# Altium PCB bg_pcb.PcbDoc (part 1 of 2) (continued)
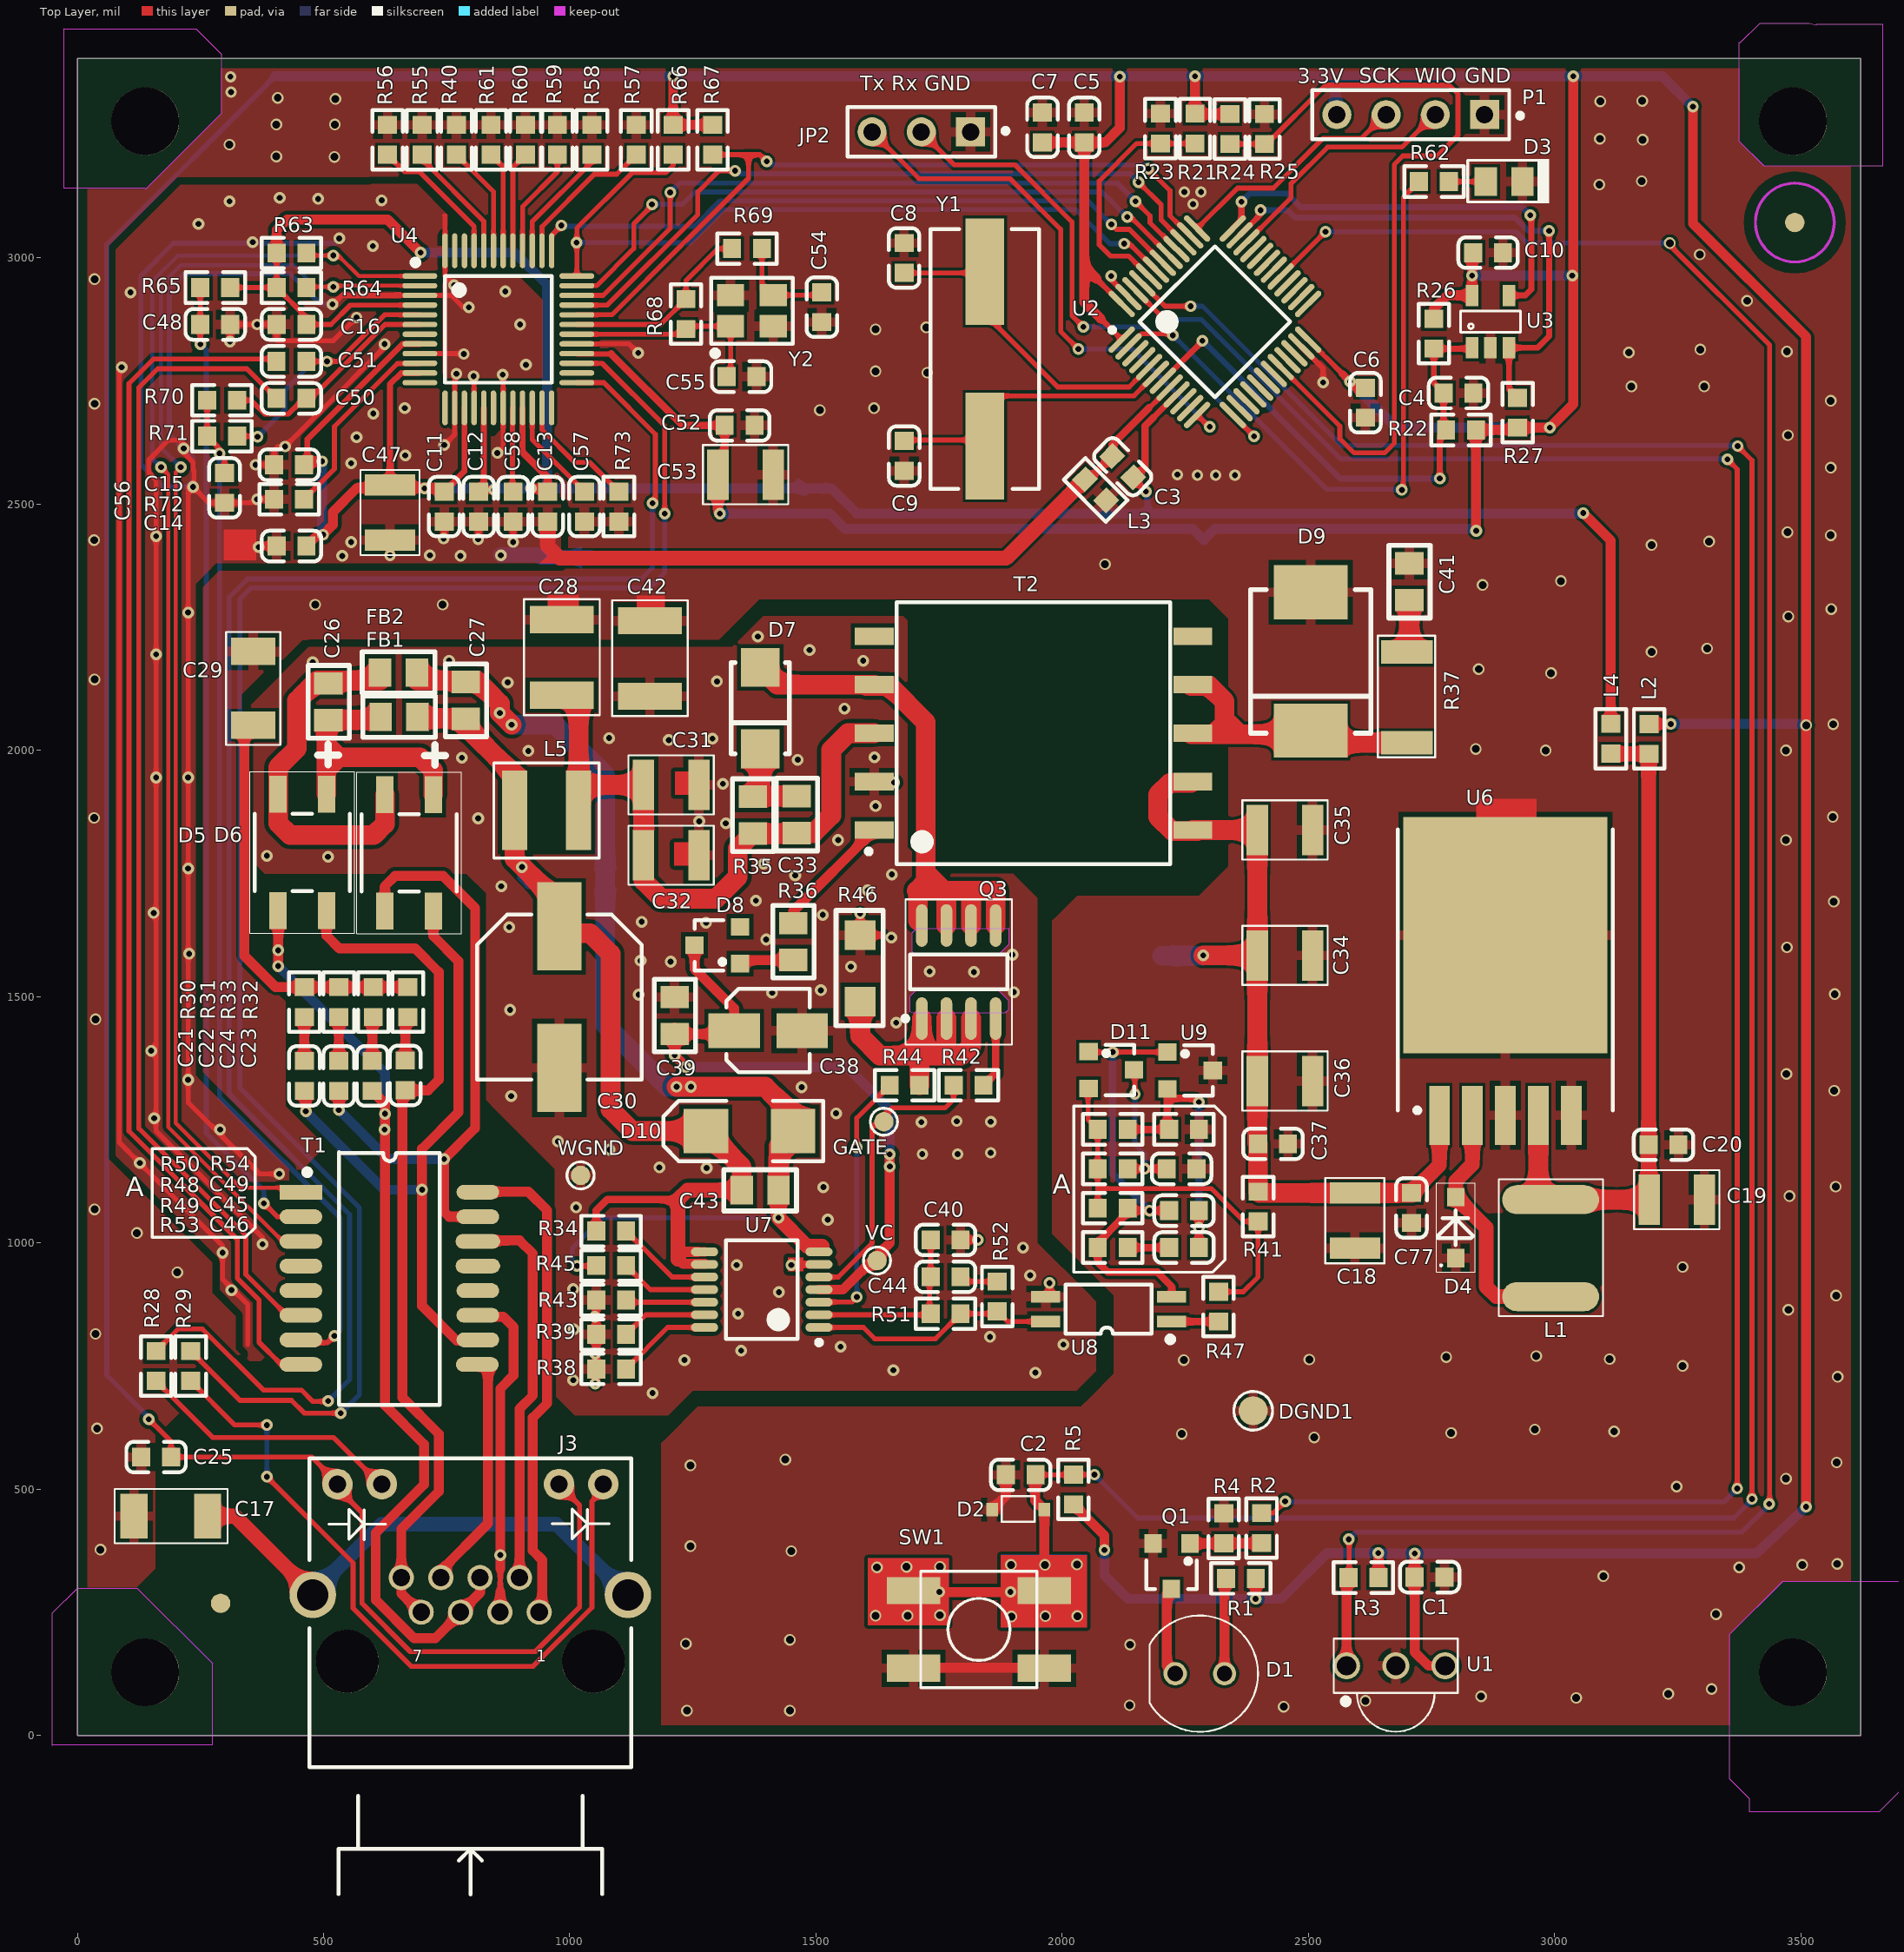
[diagram p0: Top Layer view]
## Components (designator, comment, footprint, x,y, rotation, side; value= is the part's Value field where it differs from the comment) (continued)
GATE "?.0mm,SMD" TP_SMD_1MM 1638,1246 r90 top
J3 "2-406549-1" RJ45LED 798.19,330 r270 top
JP2 "UART" HDR1X3 1814,3256 r180 top
L1 "30uH" L-7.5S 2992.1,890.8 r90 top
L2 "#NAME?" L0603 3192.2,2023.3 r90 top
L3 "#NAME?" L0603 2068,2529 r135 top
L4 "#NAME?" L0603 3114.2,2023.6 r90 top
L5 "10uH" L4*4MM 890.06,1878 r0 top
P1 "SWD" HDR1X4 2858,3291 r180 top
Q1 "DMG3404L" SOT-23 2259.5,389.6 r180 top
Q3 "FDS2582" SO8 1790,1550 r90 top
R1 "100R" R0603 2363.2,318.7 r0 top
R2 "1k" R0603 2405,420.8 r270 top
R3 "10k" R0603 2612,320.3 r0 top
R4 "10k" R0603 2328.2,420.3 r270 top
R5 "10K" R0603 2023,499 r270 top
R21 "10K" R0603 2269.9,3262.75 r270 top
R22 "10K" R0603 2810,2650.75 r0 top
R23 "10k" R0603 2199.9,3262.75 r270 top
R24 "10K" R0603 2340.9,3261.75 r270 top
R25 "10k" R0603 2410.9,3261.75 r270 top
R26 "10K" R0603 2755,2846.07 r90 top
R27 "10K" R0603 2925,2685.75 r90 top
R28 "330R" R0603 160,750 r90 top
R29 "330R" R0603 230,750 r90 top
R30 "75R" R0603 461,1489 r90 top
R31 "75R" R0603 531,1489 r90 top
R32 "75R" R0603 671,1489 r90 top
R33 "75R" R0603 601,1489 r90 top
R34 "24.9K" R0603 1084.25,1023.9 r180 top
R35 "39K/0.1W" 0805 1372,1906 r270 top
R36 "10R/0.1W" 0805 1454,1649 r270 top
R37 "20R/0.5W" 2010 2700,2200 r270 top
R38 "59K" R0603 1084.25,743.9 r180 top
R39 "80.6K" R0603 1084.25,813.9 r0 top
R40 "10K" R0603 770,3240 r90 top
R41 "0R" R0603 2398,1073.8 r270 top
R42 "10R" R0603 1810,1320 r180 top
R43 "39.2K" R0603 1084.25,883.9 r0 top
R44 "1K" R0603 1680,1320 r180 top
R45 "90.9Ω" R0603 1084.25,953.9 r0 top
R46 "0.39R/0.5W" 1206 1590,1490 r90 top
R47 "2K" R0603 2317.6,870.4 r270 top
R48 "10K" R0603 2102.6,1150.4 r0 top
R49 "4.99K" R0603 2102.6,1070.4 r0 top
R50 "44.2K" R0603 2102.6,1230.4 r0 top
R51 "2K" R0603 1763.28,856.1 r0 top
R52 "1.5K" R0603 1868.28,891.1 r270 top
R53 "10K" R0603 2102.6,990.4 r0 top
R54 "11.5K" R0603 2247.6,1230.4 r180 top
R55 "10K" R0603 700,3240 r90 top
R56 "10K" R0603 630,3240 r90 top
R57 "10K" R0603 1135,3240 r90 top
R58 "10K" R0603 1045,3240 r90 top
R59 "10K" R0603 975,3240 r90 top
R60 "10K" R0603 910,3240 r90 top
R61 "10K" R0603 840,3240 r90 top
R62 "1K" R0603 2755,3155 r180 top
R63 "49R9" R0603 435,3010 r180 top
R64 "49R9" R0603 435,2940 r180 top
R65 "10R" R0603 280,2940 r0 top
R66 "10K" R0603 1210,3240 r90 top
R67 "10K" R0603 1290,3240 r90 top
R68 "1M" R0603 1236,2886 r90 top
R69 "0R" R0603 1360,3019 r180 top
R70 "82R 1%" R0603 294,2711 r0 top
R71 "82R 1%" R0603 294,2638 r0 top
R72 "12.4K 1%" R0603 430,2510 r0 top
R73 "10K" R0603 1100,2495 r90 top
SW1 "K2-6639SP-I4SC-04" KEY6*6mm 1831,215 r0 top
T1 "H2019" H1102NL 454,1103 r0 top
T2 "POE13P-12L" POE13P-12L 1942,2035 r0 top
U1 "HS0038B3VM" HS0038B3VM 2551.6,196.2 r0 top
U2 "stm32f030c8" LQFP48 2310,2870 r45 top
U3 "STWD100NYWY3F" SOT23-5 2870,2870.75 r0 top
U4 "W5500" W5500-LQFP-48_7X7X05P 855,2855 r270 top
U6 "LM2575-3V3" TO-263-5 3107.2,1827.5 r180 top
U7 "TPS23753APW" TPS23753A 1390,905 r180 top
U8 "TCMT1107" SSOP4 2222.6,840.4 r180 top
U9 "TL431ACDBVR" SOT-23 2213.6,1387.4 r270 top
VC "?.0mm,SMD" TP_SMD_1MM 1624,964 r0 top
VDD "?.0mm,SMD" TP_SMD_1_5MM 917,1728 r90 bottom
VSS "?.0mm,SMD" TP_SMD_1_5MM 1072,1739 r90 bottom
WGND "?.0mm,SMD" TP_SMD_1MM 1022,1137 r90 top
Y1 "CRYSTAL_8MHz" 8M_SMD_CRYSTAL 1843,2795 r270 top
Y2 "25Mhz" 25MHZ-SMD-3225_4P 1370,2893 r0 top

## Footprints (in the part's own frame and the unit in brackets; to place one, negate y for a bottom-side part, rotate by r counter-clockwise, add the part's x,y. Pads: shape width x height; smd on the part's side, far side on the other; paste and mask are expansions set on the pad)
8M_SMD_CRYSTAL [mm]
  rect 5.5x2 smd: 1(-4.5,0) 2(4.5,0)
  silkscreen extent -6.7,-2.8 6.7,2.8
25MHZ-SMD-3225_4P [mm]
  rect 1.4x1.15 smd: 1(-1.1,-0.8) 2(1.1,-0.8) 3(1.1,0.8) 4(-1.1,0.8)
  silkscreen extent -2.1,-2.35 2.1,1.7, body extent -1.6,-1.25 1.6,1.25, height 0.61
0805 [mm] "Chip Capacitor, Body 2.0x1.3mm, IPC High Density"
  rect 1.16x1.47 smd: 1(0,0) 2(1.9,0)
  silkscreen extent -0.92,-1.05 2.83,1.07
1206 [mm]
  rect 1.52x1.6 smd: 1(0,0) 2(3.42,0)
  silkscreen extent -1.25,-1.17 4.7,1.25
1808 [mm]
  rect 1.4x2.3 smd: 1(0,0) 2(3.8,0)
  silkscreen extent -1,-1.4 4.82,1.4
1812 [mm] "Chip Capacitor, Body 4.5x3.2mm, IPC High Density"
  rect 1.4x3.3 smd: 1(0,0) 2(3.9,0)
  silkscreen extent -1.02,-1.95 4.95,1.95, body extent -0.5,-1.7 4.3,1.7, height 1.4
2010 [mm]
  rect 1.2x2.67 smd: 1(0,0) 2(4.68,0)
  silkscreen extent -0.83,-1.49 5.44,1.46
bingo_logo [mil]
  silkscreen extent 2,-1 742,221
C4*5.8 [mm]
  rect 2.65x1.8 smd: 1(-1.75,0) 2(1.75,0)
  silkscreen extent -2.15,-2.15 2.15,2.15, body extent -2.15,-2.15 2.15,2.15, height 5.8
C8*10.2MM [mm]
  rect 4.55x2.3 smd: 1(-3.65,0) 2(3.65,0)
  silkscreen extent -4.25,-4.25 4.25,4.25, body extent -4.25,-4.25 4.25,4.25, height 10.2
C0603 [mm]
  rect 0.93x0.98 smd: 1(-0.77,0) 2(0.77,0)
  silkscreen extent -1.53,-0.79 1.54,0.79, body extent -0.8,-0.4 0.8,0.4, height 0.3
C1210 [mm] "Chip Capacitor, Body 3.2x2.5mm, IPC High Density"
  rect 1.1x2.6 smd: 1(-1.35,0) 2(1.5,0)
  silkscreen extent -2.12,-1.53 2.27,1.53, body extent -1.6,-1.35 1.8,1.35, height 1.3
H1102NL [mm]
  rect 2.2x0.76 smd: 1(0,0)
  oval 2.2x0.76 smd: 2(0,-1.27) 3(0,-2.54) 4(0,-3.81) 5(0,-5.08) 6(0,-6.35) 7(0,-7.62) 8(0,-8.89) 9(9.1,-8.89) 10(9.13,-7.62) 11(9.13,-6.35) 12(9.13,-5.08) 15(9.13,-1.27) 16(9.13,0)
  oval 2.3x0.76 smd: 13(9.13,-3.81) 14(9.13,-2.54)
  silkscreen extent 0.18,-10.97 7.17,2.05
HD01 [mm] "SOT143, 4-Leads, Body 4.70x7.00mm, Pitch 2.50mm, IPC Medium Density"
  rect 1.9x0.9 smd: 1(0,0) 2(6,0) 3(0,-2.5) 4(6,-2.5)
  silkscreen extent -2.58,-3.95 7.17,1.45, body extent 1,-3.7 5,1.2, height 2.7
HDR1X3 [mm] "Connector; Header; 3 Position"
  rect 1.5x1.5 hole 0.9: 1(0,0)
  round 1.5 hole 0.9: 2(2.54,0) 3(5.08,0)
  silkscreen extent -1.27,-1.27 6.35,1.27
HDR1X4 [mm] "Connector; Header; 4 Position"
  rect 1.5x1.5 hole 0.9: 1(0,0)
  round 1.5 hole 0.9: 2(2.54,0) 3(5.08,0) 4(7.62,0)
  silkscreen extent -1.27,-1.27 8.89,1.27
HS0038B3VM [mm]
  round 1.4 hole 1 mask+0: 1(0.66,-1.4) 2(3.2,-1.4) 3(5.74,-1.4)
  silkscreen extent 0,-4.8 6.4,0
KEY6*6mm [mm] "6.2?.5mm TACT Switch, without ground connector"
  rect 2.75x1.4 smd: 1(-3.375,2) 2(3.375,2) 3(-3.375,-2) 4(3.375,-2)
  silkscreen extent -3,-3 3,3, body extent -4,-3 4,3.3, height 3.1
L4*4MM [mm] "Precision Wire Wound Inductor, 2-Leads, Body 4.40x4.40mm, IPC Medium Density"
  rect 1.3x4.1 smd: 1(-0.05,0) 2(3.25,0)
  silkscreen extent -1.12,-2.45 4.3,2.45, body extent -0.5,-2.2 3.9,2.2, height 1.1
L0603 [mm]
  rect 0.93x0.98 smd: 1(-0.77,0) 2(0.77,0)
  silkscreen extent -1.54,-0.79 1.53,0.79, body extent -0.82,-0.41 0.83,0.41, height 0.46
L-7.5S [mm]
  oval 1.5x5 smd: 1(0,0) 2(5,0)
  silkscreen extent -1,-2.7 6.05,2.68
LED [mm]
  round 1.2 hole 0.8 mask+0: 1(-1.27,0) 2(1.27,0)
  silkscreen extent -3,-3 2.6,3
LED-0805 [mm] "Chip Capacitor, Body 2.0x1.3mm, IPC High Density"
  rect 1.16x1.47 smd: 1(0,0) 2(-1.9,0)
  silkscreen extent -3.27,-1.18 0.92,1.12
LQFP48 [mm]
  oval 1.8x0.3 smd: 1(-4.038,2.752) 2(-4.038,2.252) 3(-4.038,1.752) 4(-4.038,1.252) 5(-4.038,0.752) 6(-4.038,0.252) 7(-4.038,-0.248) 8(-4.038,-0.748) 9(-4.038,-1.248) 10(-4.038,-1.748) 11(-4.038,-2.248) 12(-4.038,-2.748) 25(4.062,-2.748) 26(4.062,-2.248) 27(4.062,-1.748) 28(4.062,-1.248) 29(4.062,-0.748) 30(4.062,-0.248) 31(4.062,0.252) 32(4.062,0.752) 33(4.062,1.252) 34(4.062,1.752) 35(4.062,2.252) 36(4.062,2.752)
  oval 0.3x1.8 smd: 13(-2.738,-4.048) 14(-2.238,-4.048) 15(-1.738,-4.048) 16(-1.238,-4.048) 17(-0.738,-4.048) 18(-0.238,-4.048) 19(0.262,-4.048) 20(0.762,-4.048) 21(1.262,-4.048) 22(1.762,-4.048) 23(2.262,-4.048) 24(2.762,-4.048) 37(2.762,4.052) 38(2.262,4.052) 39(1.762,4.052) 40(1.262,4.052) 41(0.762,4.052) 42(0.262,4.052) 43(-0.238,4.052) 44(-0.738,4.052) 45(-1.238,4.052) 46(-1.738,4.052) 47(-2.238,4.052) 48(-2.738,4.052)
  silkscreen extent -4.16,-2.75 2.76,3.58, body extent -3.49,-3.5 3.51,3.5, height 1.6
POE13P-12L [mm]
  rect 2x0.9 smd: 1(-8.22,-5) 2(-8.22,-2.5) 3(-8.22,0) 4(-8.22,2.5) 5(-8.22,5) 6(8.22,5) 7(8.22,2.5) 8(8.22,0) 9(8.22,-2.5) 10(8.22,-5)
  silkscreen extent -8.63,-6.75 7.05,6.75, body extent -6.5,-6.75 6.5,6.75, height 12.7
R0603 [mm]
  rect 0.93x0.98 smd: 1(-0.77,0) 2(0.77,0)
  silkscreen extent -1.53,-0.79 1.54,0.79, body extent -0.85,-0.4 0.85,0.4, height 0.56
RJ45LED [mm]
  round 1.3 hole 0.9: 1(2.03,3.55) 3(2.03,1.52) 4(0.25,0.5) 5(2.03,-0.51) 6(0.25,-1.52) 7(2.03,-2.54) 8(0.25,-3.56)
  round 1.3 hole 0.9 paste+0: 2(0.25,2.53)
  round 1.575 hole 0.9: 9(-4.57,6.86) 10(-4.57,4.57) 11(-4.57,-4.57) 12(-4.57,-6.86)
  round 2.4 hole 1.6: 13(1.14,8.13) 14(1.14,-8.13)
  round 3.25 hole 3.25 unplated: 15(4.57,6.35) 16(4.57,-6.35)
  silkscreen extent -5.91,-8.3 16.6,8.3, body extent -5.9,-9.3 10.82,9.33, height 14.8
SMA [mm]
  rect 2x2 smd: 1(4.481,1.403) 2(0.281,1.403)
  silkscreen extent 0.03,-0.1 4.73,2.9
SMB [mm] "DO-214-AA/SMB; 2 C-Bend Leads; Body 5.3 x 3.6 mm, inc. leads (LxW)"
  rect 2.3x2.3 smd: 1(-2.25,0) 2(2.25,0)
  silkscreen extent -3.8,-1.55 4.44,1.55
SMC [mil]
  rect 110x150 smd: 1(281.16,125.04) 2(0.18,125.04)
  silkscreen extent -5,3 286,247
SO8 [mm] "SOIC, 8-Leads, Body 4.9x3.9mm, Pitch 1.27mm, IPC Medium Density"
  oval 2.2x0.6 smd: 1(-2.4,1.905) 2(-2.4,0.635) 3(-2.4,-0.635) 4(-2.4,-1.905) 5(2.4,-1.905) 6(2.4,-0.635) 7(2.4,0.635) 8(2.4,1.905)
  silkscreen extent -3.75,-2.75 3.75,2.88, body extent -2,-2.5 2,2.5, height 1.75
SOD123 [mm]
  rect 0.95x0.9 smd: 1(-1.575,0) 2(1.575,0)
  silkscreen extent -2.3,-1 2.3,1, body extent -1.43,-0.85 1.42,0.85, height 1.35
SOD323 [mm]
  rect 0.6x0.7 smd: 1(0,0) 2(2.7,0)
  silkscreen extent 0.5,-0.7 2.2,0.63
SOT23-5 [mm]
  rect 0.65x1.1 smd: 1(-0.95,-1.35) 2(0,-1.35) 3(0.95,-1.35) 4(0.95,1.35) 5(-0.95,1.35)
  silkscreen extent -1.55,-0.55 1.55,0.55
SOT-23 [mm]
  rect 0.9x0.95 smd: 1(0,0) 2(1.9,0) 3(0.95,2.35)
  silkscreen extent -0.35,0.79 2.25,2.35
SSOP4 [mm]
  rect 1.5x0.6 smd: 1(0,0) 2(0,-1.27) 3(6.5,-1.27) 4(6.5,0)
  silkscreen extent -0.07,-1.91 5.48,1.07
TO-263-5 [mil]
  rect 42x120 smd: 1(340.94,568.43) 2(274.02,568.43) 3(207.09,568.43) 4(140.16,568.43) 5(73.23,568.43)
  rect 414x479.37 smd: 6(207.09,202.76)
  silkscreen extent -11,-12 426,563
TP_SMD_1_5MM [mm]
  round 1.5 smd paste-5: 1(0,0)
  silkscreen extent -1,-1 1,1
TP_SMD_1MM [mm]
  round 1 smd paste-5: 1(0,0)
  silkscreen extent -0.7,-0.7 0.7,0.7
TPS23753A [mm] "TSOP, 14-Leads, Body 5.00x4.40mm, Pitch 0.65mm, IPC Medium Density"
  oval 1.4x0.45 smd: 1(-2.95,1.95) 2(-2.95,1.3) 3(-2.95,0.65) 4(-2.95,0) 5(-2.95,-0.65) 6(-2.95,-1.3) 7(-2.95,-1.95) 8(2.95,-1.95) 9(2.95,-1.3) 10(2.95,-0.65) 11(2.95,0) 12(2.95,0.65) 13(2.95,1.3) 14(2.95,1.95)
  silkscreen extent -3.08,-2.55 1.85,2.85, body extent -2.25,-2.55 2.25,2.55, height 1.2
W5500-LQFP-48_7X7X05P [mm]
  oval 0.28x1.8 smd mask+0.051: 1(-2.75,-4.05) 2(-2.25,-4.05) 3(-1.75,-4.05) 4(-1.25,-4.05) 5(-0.75,-4.05) 6(-0.25,-4.05) 7(0.25,-4.05) 8(0.75,-4.05) 9(1.25,-4.05) 10(1.75,-4.05) 11(2.25,-4.05) 12(2.75,-4.05) 25(2.75,4.05) 26(2.25,4.05) 27(1.75,4.05) 28(1.25,4.05) 29(0.75,4.05) 30(0.25,4.05) 31(-0.25,4.05) 32(-0.75,4.05) 33(-1.25,4.05) 34(-1.75,4.05) 35(-2.25,4.05) 36(-2.75,4.05)
  oval 1.8x0.28 smd mask+0.051: 13(4.05,-2.75) 14(4.05,-2.25) 15(4.05,-1.75) 16(4.05,-1.25) 17(4.05,-0.75) 18(4.05,-0.25) 19(4.05,0.25) 20(4.05,0.75) 21(4.05,1.25) 22(4.05,1.75) 23(4.05,2.25) 24(4.05,2.75) 37(-4.05,2.75) 38(-4.05,2.25) 39(-4.05,1.75) 40(-4.05,1.25) 41(-4.05,0.75) 42(-4.05,0.25) 43(-4.05,-0.25) 44(-4.05,-0.75) 45(-4.05,-1.25) 46(-4.05,-1.75) 47(-4.05,-2.25) 48(-4.05,-2.75)
  silkscreen extent -3.6,-4.42 2.75,2.75

## Part data
3V3A 3V3D 12V AGND DGND DGND1 GATE VC VDD VSS WGND: "1.0mm circular SMD testpad"
BingoBin-1A_V1.0.00: library part bingo_logo, "bingo logo"
C1 C2 C3 C4 C5 C6 C7 C10 C11 C12 C13 C14 C15 C16 C52: library part C0603, "Capacitor, Ceramic, 0.1uF, 16V, 10%, 0603, X7R"
C8 C9: library part C0603, "Capacitor, Ceramic, 22pF, 50V, 5%, 0603, COG"
C17 C29: "Capacitor, Ceramic Chip,1000pF, 2KV, 10%,1808"
C18 C19 C34 C35 C36: "Capacitor, Ceramic, 22uF,16V, 10%,1210,X5R"
C20: library part CAP, "Capacitor, Ceramic, 0.1uF, 16V, 10%, 0603, X7R"
C21 C22 C23 C24: "Capacitor, Ceramic, 0.1uF, 100V, 10%, 0603, X7R"
C25: library part C1005X5R1H104K, "Capacitor, Ceramic, 0.1uF, 16V, 10%, 0603, X7R"
C26 C27: "Capacitor, Ceramic, 1000pF,100V, 10%,0805,X7R"
C28 C42: "Capacitor, Ceramic, 2200pF,2KV, 20%,1812,X7R"
C30: library part "Cap Pol2", "Capacitor, Aluminum Electrolytic, 22uF,100V, 20%"
C31 C32: "Capacitor, Ceramic, 2.2uF,100V, 10%,1210,X7R"
C33 C43: "Capacitor, Ceramic, 0.1uF,100V, 10%,0805,X7R"
C37 C49: "Capacitor, Ceramic, 1uF, 25V, 10%, 0603, X7R"
C38: library part "Cap Pol2", "Capacitor, Aluminum,10uF, 25V, 20%"
C39: "Capacitor, Ceramic, 0.22uF,25V, 10%,0805,X7R"
C40: "Capacitor, Ceramic, 0.1uF, 16V, 10%, 0603, X7R"
C41: "Capacitor, Ceramic, 680pF,50V,5%,0805, NPO"
C44: "Capacitor, Ceramic, 0.033uF, 50V, 10%, 0603, X7R"
C45: "Capacitor, Ceramic, 100pF, 50V, 5%, 0603, X7R"
C46: "Capacitor, Ceramic, 0.01uF, 50V, 10%, 0603, X7R"
C47 C53: "Capacitor, Ceramic, 10uF,16V, 10%,1210,X5R"
C48: library part C0603, "Capacitor, Ceramic, 22nF, 25V, 10%, 0603, X7R"
C50 C51: library part C0603, "Capacitor, Ceramic, 6.8nF, 50V, 10%, 0603, X7R"
C54 C55: library part C0603, "Capacitor, Ceramic, 18pF, 50V, 5%, 0603, COG"
C56 C57: library part C0603, "Capacitor, Ceramic, 0.01uF, 50V, 10%, 0603, X7R"
C58: library part C0603, "Capacitor, Ceramic, 4.7uF, 16V, 10%, 0603, X7R"
C77: "Capacitor, X5R, ±10%"
D1: library part LED1, "Typical RED GaAs LED"
D2: library part ESD
D3: library part LED_0805, "翠绿色 贴片LED ( Iv=220-270mcd @IF=5mA)?"
D4: library part DIODE, "Diode Schottky, 40V,1A"
D5 D6: library part Bridge1, "Bridge Rectifier, 100V, 0.8A, Glass Passivated, SMD"
D7: library part Diode, "Diode, Rectifier, 1A, 200V"
D8: "Diode, Switching, 200mA, 75V, 225mW"
D9: library part "D Schottky", "Diode Schottky, 60V, 3A, SMC"
D10: library part "D Schottky", "Diode,Transient Voltage Suppressor,400W,58V"
D11: library part "D Schottky", "Diode, Dual Schottky, 200mA, 30V"
FB1 FB2: library part FB, "Bead, Ferrite, SMT, 220 Ohms, 3A"
J3: "RJ45连接器/RJ45网口连接器,8p8c,90°,黄-绿LED灯,镀金,带屏蔽"
JP2: library part "Header 3", "Header, 3-Pin, Single row"
L1: library part BEAD, "330uH功率电感"
L2 L3 L4: library part L0603, "Bead, Ferrite, SMT, 120 Ohms, 3A"
L5: library part "Inductor Iron", "Inductor, SMT, 750mA, 350 milliohm,10uH"
P1: library part "Header 4", "Header, 4-Pin"
Q1: library part MOSFET-N, "N沟道,30V,5.6A,27mΩ(Typ,@Vgs=4.5V)"
Q3: library part NMOS-2, "MOSFET, N-ch, 150-V, 4.1A, 66 milliOhms"
R1 R2 R3 R4: library part R0402-12k, "RES, THICK FILM, 10K, 5%, 1/10W, 0603"
R5 R21 R22 R23 R24 R25: library part R0603, "RES, THICK FILM, 4.7K, 5%, 1/10W, 0603"
R26 R27 R40 R55 R56 R57 R58 R59 R60 R61 R66 R67 R73: library part R0603, "RES, THICK FILM, 10K, 5%, 1/10W, 0603"
R28 R29: library part R0603, "RES, THICK FILM, 330 OHM, 5%, 1/10W, 0603"
R30 R31 R32 R33: library part Res3, "RES, THICK FILM, 75 OHM, 1%, 1/10W, 0603"
R34: library part Res3, "RES, THICK FILM, 24.9K, 1%, 1/10W, 0603"
R35: library part Res3, "RES, THICK FILM, 39K, 1%, 1/8W, 0805"
R36: library part Res3, "RES, THICK FILM, 10 OHM, 1%, 1/8W, 0805"
R37: library part Res3, "RES, THICK FILM, 20 OHM, 5%, 1/2W, 2010"
R38: library part Res3, "RES, THICK FILM, 59K, 1%, 1/10W, 0603"
R39: library part Res3, "RES, THICK FILM, 80.6K, 1%, 1/10W, 0603"
R41: library part Res3, "RES, THICK FILM, 0 OHM, 1%, 1/10W, 0603"
R42: library part Res3, "RES, THICK FILM, 10 OHM, 5%, 1/10W, 0603"
R43: library part Res3, "RES, THICK FILM, 39.2K, 1%, 1/10W, 0603"
R44: library part Res3, "RES, THICK FILM, 1K, 5%, 1/10W, 0603"
R45: library part Res3, "RES, THICK FILM, 90.9 OHM, 1%, 1/10W, 0603"
R46: library part Res3, "RES, THICK FILM, 0.39 OHM, 1%, 3/4W, 2010"
R47 R51: library part Res3, "RES, THICK FILM, 2K, 5%, 1/10W, 0603"
R48 R53: library part Res3, "RES, THICK FILM, 10K, 5%, 1/10W, 0603"
R49: library part Res3, "RES, THICK FILM, 4.99K, 1%, 1/10W, 0603"
R50: library part Res3, "RES, THICK FILM, 44.2K, 1%, 1/10W, 0603"
R52: library part Res3, "RES, THICK FILM, 1.5K, 5%, 1/10W, 0603"
R54: library part Res3, "RES, THICK FILM, 11.5K, 1%, 1/10W, 0603"
R62: library part R0603, "RES, THICK FILM, 1K, 5%, 1/10W, 0603"
R63 R64: library part R0603, "RES, THICK FILM, 49.9 OHM, 1%, 1/10W, 0603"
R65: library part R0603, "RES, THICK FILM, 10 OHM, 5%, 1/10W, 0603"
R68: library part R0603, "RES, THICK FILM, 1M, 5%, 1/10W, 0603"
R69: library part R0603, "RES, THICK FILM, 0 OHM, 1%, 1/10W, 0603"
R70 R71: library part R0603, "RES, THICK FILM, 82 OHM, 5%, 1/10W, 0603"
R72: library part R0603, "RES, THICK FILM, 12.4K, 1%, 1/10W, 0603"
SW1: library part SW
T1: library part H1102NL, "XFMR, 1000 Base-T, Ratio 1:1"
T2: library part Trans3, "Transformer, Flyback For PoE, 12V, 1A"
U1: library part 1838
U2: "mcu  LQFP-48_7x7x05P"
U3: library part STWD100, "Watchdog timer circuit/1.6s"
U4: "TCP/IP嵌入式以太网控制器"
U6: library part LM2575, "SIMPLE SWITCHER? 1A Step-Down Voltage Regulator"
U7: "IC, IEEE 802.3af Integrated Primary Side Controller"
U8: library part Optoisolator1, "IC, Photocoupler, 3750VRMS, 80-160% CTR"
U9: library part TL431AQDBZR, "IC, Shunt Regulator, 2.5V Ref, 36V, 100mA, 1%"
Y1: library part CRYSTAL_32.768k, "20PF 20PPM -40~+85℃ 编带"
Y2: "XTAL S3225 25M 12pF 10ppm 40R -20~70℃?"

## Free pads (board coordinates)
  round 39.37 smd mask+39.37: 0(3488,3072) 1(291,268)
  round 39.37 smd far side mask+39.37: 2(3488,3072) 3(291,268)
  round 137.8 hole 137.8: 3(137.8,127.95) 4(3484.25,127.95) 5(3484.25,3277.56) 6(137.8,3277.56)

## Via types
v1: diameter 24, hole 12, Top Layer to Bottom Layer, tented both sides, 133 vias
v2: diameter 23.62, hole 15.75, Top Layer to Bottom Layer, tented both sides, 122 vias
v3: diameter 23.62, hole 11.81, Top Layer to Bottom Layer, tented both sides, 122 vias
v4: diameter 23, hole 12, Top Layer to Bottom Layer, tented both sides, 15 vias

## Nets (pads, with @x,y where several pads share a name; then routed paths per layer and width w, separated by ;. In a path a pad name is that pad's centre, name@x,y a point inside that pad or via, vN(x,y) a via of type N, cw(c..) or ccw(c..) an arc to the next point about the centre after c; other vN are vias at no path point)
1V2O: C57.1 U4.22 | length 214.2
  Top Layer w10: U4.22@923.9,2695.55 923.9,2631.42 C57.1@1030,2525.31
3V3: C19.1 C20.1 L1.2 L2.1 L4.1 U6.4 | length 1366.6
  Top Layer w30: L4.1@3114.2,1993.28 3114.5,1992.99 L2.1@3192.2,1992.99 3191.09,1991.87 C20.1@3191.09,1199.3 3191.09,1088.67 C19.1@3192.25,1087.5
  Top Layer w40: U6.4@2967.04,1259.07 2967.04,1112.71 L1.2@2992.1,1087.65 2992.25,1087.5 C19.1@3192.25,1087.5
3V3A: 3V3A.1 C3.1 C11.1 C12.1 C13.1 C14.1 C15.1 C16.1 C47.2 L4.2 R63.2 R64.2 R65.2 U2.9 U4.4 U4.8 U4.11 U4.15 U4.17 U4.21 | length 6530.7
  Top Layer w10: R65.2@310.32,2940 R64.2@404.68,2940 ; R63.2@404.68,3010 R64.2@404.68,2940 ; U4.4@695.55,2904.21 554.21,2904.21 515,2865 C16.1@465.31,2865 465.31,2879.37 R64.2@404.68,2940
  Top Layer w12: C15.1@460.31,2580 467,2586.69 467,2632 660.47,2825.47 U4.8@695.55,2825.47 ; 635,2587 635,2743.7 657.55,2766.24 695.38,2766.24 U4.11@695.55,2766.42 ; C11.1@745,2525.31 786.1,2566.42 U4.15@786.1,2695.55 ; C12.1@815,2525.31 C12.1@818.69,2529 ; U4.17@825.47,2695.55 825.47,2535.79 C12.1@818.69,2529 ; v3@845,2526 847.63,2526 v3@848.31,2525.31 ; v3(846.1,2529) C12.1@818.69,2529 ; 904.21,2605.79 U4.21@904.21,2695.55 ; C3.1@2144.44,2554.56 2144.44,2551.56 v3(2170,2526) ; 2185,2675.51 U2.9@2232.33,2722.84
  Top Layer w15: C47.2@597.15,2533.15 635,2533.15 635,2587 ; 904.21,2605.79 955,2555 C13.1@955,2525.31 ; C3.1@2144.44,2551.56 2168,2575.13 2168,2658.51 2185,2675.51
  Top Layer w20: R63.2@404.68,3010 404.68,3056.68 426,3078 630,3078 v3(697,3011) ; C14.1@465.31,2415 486.81,2436.5 v3@500.5,2436.5 ; C15.1@467,2586.69 496.69,2586.69 v3(497,2587) ; v3(499,2438) 519,2458 519,2484 568.15,2533.15 C47.2@597.15,2533.15 ; C47.2@635,2533.15 737.17,2533.15 C11.1@745,2525.31 ; v3(921,2532) 948.31,2532 C13.1@955,2525.31 ; v3(3058.4,2482) 3114.2,2426.2 L4.2@3114.2,2053.91
  Bottom Layer w12: 2162,2481 2173,2492 ; v3(2170,2526) 2173,2523 2173,2494 ; 2173,2481 2173,2492 ; 2184,2481 2184,2483 2173,2494 ; 2173,2492 2173,2494
  Bottom Layer w20: v3(497,2587) 497,2440 v3(499,2438) ; v3(697,3011) 888,3011 954,2945 954,2536 958,2532 ; v1(705,2532) v3(921,2532) 958,2532 ; v3(3058.4,2482) 3057.4,2481 2184,2481 2173,2481 2162,2481 1583,2481 1532,2532 958,2532
3V3D: 3V3D.1 C1.2 C5.2 C6.2 C7.2 C10.2 C25.1 C52.1 C53.2 J3.10 J3.12 L2.2 P1.4 R1.2 R3.2 R5.2 R21.1 R22.2 R24.1 R26.2 R27.1 R66.2 R67.2 U1.3 U2.1 U2.24 U2.48 U3.5 U4.28 | length 18053.4
  Top Layer w10: v3(145,642) 190.31,596.69 C25.1@190.31,565 476,565 539.92,501.08 539.92,490.08 578,452 578,268 676,170 930,170 1020,260 1020,467 989.92,497.08 J3.10@989.92,509.92 ; U4.28@1014.45,2805.79 1015.24,2805 1084,2805 ; 2069.55,2958 U2.48@2120.97,2906.58 ; 2078.09,2877.09 U2.1@2120.97,2834.2 ; U2.24@2499.58,2834.2 2568.78,2765
  Top Layer w12: R27.1@2920.32,2650.75 R27.1@2925,2655.44
  Top Layer w15: 1084,2805 1229,2660 C52.1@1314.69,2660 1314.69,2567.83 C53.2@1306.85,2560 ; 2568.78,2765 v3(2584.78,2749) 2597.47,2736.32 C6.2@2616,2736.32
  Top Layer w20: v3(1210,3369) R66.2@1210,3270.32 R67.2@1290,3270.32 ; C53.2@1300.94,2560 1300.94,2485.06 v3(1305,2481) ; C7.2@1960,3234.68 C5.2@2045,3234.68 ; R5.2@2023,468.68 2086,405.68 v3(2086,376) ; 2045,2982.55 2069.55,2958 ; 2078.09,2877.09 2045,2910.17 C5.2@2045,3234.68 ; v3(2117,3368) 2117,3264 2087.68,3234.68 C5.2@2045,3234.68 ; v3(2270,3369) 2269.9,3368.9 R21.1@2269.9,3293.06 2270.9,3292.06 R24.1@2340.9,3292.06 ; v3(2393,277) 2393.52,277.52 R1.2@2393.52,318.7 R1.2@2401.72,310.5 ; R3.2@2642.32,320.3 v3@2642.32,365 ; v3(2715.88,368.98) C1.2@2715.88,321.3 2715.88,169.12 2743.92,141.08 U1.3@2777.6,141.08 ; R26.2@2755,2876.38 2755,2897 2781.9,2923.9 U3.5@2832.6,2923.9 v3(2832.6,2964) 2832.6,3008.66 C10.2@2834.69,3010.75 ; v1(2841,2446) 2840.32,2446.68 R22.2@2840.32,2650.75 R27.1@2920.32,2650.75 ; R27.1@2925,2655.44 v3(2990.44,2655.44) 3038,2703 v3@3038,2964 ; v3(3036,2964) v3@3038,2964 ; v3(3038,3369) v3@3038,2964 ; L2.2@3192.2,2053.62 v3(3236.08,2053.62) ; v3(3281,3307) 3281,3070 3511,2840 v2(3511,2051) v3(3511,464)
  Bottom Layer w10: v3(145,642) 145,646 60,731 60,3027.43 401.57,3369
  Bottom Layer w20: 401.57,3369 v3(1210,3369) v3@2117,3369 ; v3(1305,2481) 1528,2481 1559,2450 2265,2450 3V3D.1@2288,2427 2288,2428 2310,2450 v1@2837,2450 ; v3(2086,376) 2086,325 2134,277 v3(2393,277) 2445,277 2538,370 v3(2642,370) ; v3(2117,3368) v3@2117,3369 ; P1.4@2555,3290 2555,3368 2556,3369 ; v3(2584.78,2749) 2678.35,2655.44 v3(2990.44,2655.44) ; v3@2643.02,368.98 v3(2715.88,368.98) 3409.98,368.98 v3(3511,464) ; v3(2832.6,2964) v3(3036,2964) ; v3(3236.08,2053.62) 3508.39,2053.62 v2(3511,2051) ; v3(3281,3307) 3219,3369 v3(3038,3369) 2556,3369 ; v3@2117,3369 v3(2270,3369) 2556,3369
AGND: AGND.1 C3.2 C11.2 C12.2 C13.2 C14.2 C15.2 C16.2 C47.1 C48.2 C56.2 C58.2 L3.2 R72.1 U2.8 U4.3 U4.9 U4.14 U4.16 U4.19 U4.48 | length 10896.8
  Top Layer w10: v1@85,2778 85,1204 v1(127,1162) 295,994 v1(295,980) 295,926 346,875 346,794 ; v1@214.74,2606 214.74,2624.26 209,2630 185,2630 145,2590 145,2564.64 160,2549.64 v1(160,2435) v1(160,2195) v1(160,1945) 160,1227 376,1011 v3(376,997) ; v1(216,2613) 216,2604.36 235,2585.36 235,2570.83 237,2568.83 237,2547 225,2535 225,1285 370,1140 v3(410,1140) ; v1(235,2535) 267.32,2502.68 C56.2@299,2502.68 357.68,2502.68 v3(365,2510) R72.1@399.69,2510 ; v3(310,2830) 310.32,2830.32 C48.2@310.32,2865 v3(365,2865) C16.2@404.68,2865 404.68,2833.21 405.9,2832 520,2832 v3(567,2879) ; v3(362,2580) C15.2@399.68,2580 399.68,2608.79 407.9,2617 v3(422,2617) 487.71,2682.71 488.69,2682.71 496.31,2690.32 496.31,2691.31 v1@620,2815 ; v3(518,2906) 519.68,2906 537.58,2923.9 U4.3@695.55,2923.9 759.1,2923.9 783,2900 v3(795,2900) ; v3(635,2396) C47.1@635,2426.85 ; U4.9@695.55,2805.79 784.21,2805.79 v3(785,2805) ; v3(744,2430) 745,2431 C11.2@745,2464.68 ; v1(745,2620) 766.42,2641.42 U4.14@766.42,2695.55 766.42,2761.42 v3(770,2765) ; 746,3086 746.73,3085.27 U4.48@746.73,3014.45 746.73,2963.27 v3(765,2945) ; v3(805,2760) 805.79,2759.21 U4.16@805.79,2695.55 ; v3(814,2429) 815,2430 C12.2@815,2464.68 ; v1(853,2604) 864.84,2615.84 U4.19@864.84,2695.55 864.84,2754.84 v3@865,2755 ; C58.2@885,2464.68 885,2433 v3@887,2431 ; 2176.51,2696.01 2177.66,2696.01 U2.8@2218.41,2736.76
  Top Layer w15: 330,2415 366,2415 v3(368,2413) 370,2415 C14.2@404.68,2415 ; L3.2@2046.56,2550.43 2054.56,2550.43 C3.2@2101.56,2597.43 2101.56,2621.07 2176.51,2696.01
  Top Layer w30: C13.2@955,2464.68 955,2415 980,2390 1886.13,2390 L3.2@2046.56,2550.43
  Bottom Layer w10: v3(518,2906) 494.16,2906 432.16,2968 217.04,2968 187,2937.96 187,2642 v1(216,2613) 235,2594 v1(235,2535) 174.64,2535 129,2580.64 129,2964 194.81,3029.81 524.19,3029.81 532,3037.62 v1(532,3039.81)
  Bottom Layer w15: v3@368,2412 v3(368,2413)
  Bottom Layer w30: v1@859,2397 937,2397 942,2392 AGND.1@1042,2392
  other v1: 313,904 290,1230 156,1253 225,1331 150,1390 227,1587 155,1670 225,1760 225,1945 225,2280 538,2395 778,2395 716,2396 860,2396 556,2423 556,2583 666,2599 567,2636 601,2684 665,2695 90,2778 911,2783 624,2825 899,2865 108,2930 869,2932 600,3024 356,3032 246,3069 309,3115 618,3117 489,3120 411,3122
  other v3: 885,2423 864,2763
BI_DA_N: J3.3 T1.11 | length 768.6
  Top Layer w10: 859,291.94 859,338
  Top Layer w20: T1.11@832.91,850 865,850 886,829 886,731 859,704 v1(859,366) 859,338 ; J3.3@858.03,250.08 859,251.05 859,291.94
  Bottom Layer w10: 859,291.94 859,345
  Bottom Layer w20: J3.3@858.03,250.08 859,251.05 859,291.94 ; 859,345 v1(859,366)
BI_DA_P: J3.6 T1.9 | length 491.9
  Top Layer w20: J3.6@738.35,320.16 738.35,334.5 834,430.16 834,749 830,753 T1.9@812.27,753
BI_DB_N: J3.2 T1.14 | length 782.1
  Top Layer w20: T1.14@827.91,1005 898,1005 925,978 925,690 898,663 898,331.76 J3.2@909.61,320.16
BI_DB_P: J3.1 T1.16 | length 979
  Top Layer w20: T1.16@828.91,1104 916,1104 954,1066 954,674 925,645 925,375 944,356 944,255.84 J3.1@949.76,250.08
BOOT0: R21.2 R23.2 U2.44 | length 485
  Top Layer w10: U2.44@2177.75,2962.26 U2.44@2176.65,2962.26 2135.1,3003.81 2098.19,3003.81 2075.19,3026.81 2075.19,3156.19 2151.43,3232.43 R23.2@2199.9,3232.43 R21.2@2269.9,3232.43
BOOT1: R24.2 R25.2 U2.20 | length 1651.2
  Top Layer w10: R24.2@2340.9,3231.43 R25.2@2410.9,3231.43 2415.43,3231.43 2535,3351 2786,3351 2804,3333 2804,3249 2762,3207 2692,3207 2674.5,3189.5 2674.5,2623.5 2655,2604 2593,2604 2564,2633 2564,2658.43 U2.20@2443.9,2778.52 U2.20@2442.8,2778.52
CGND: C17.2 J3.13 J3.14 | length 1069.8
  Top Layer w20: J3.13@1130.08,285.12 J3.13@1143.98,271.22
  Top Layer w30: C17.2@264.61,445 320,445 468.88,296.12 J3.14@457.87,285.12
  Bottom Layer w30: J3.14@489.92,285.12 489.92,300.92 618,429 973,429 1116.88,285.12 J3.13@1130.08,285.12
DGND: C1.1 C2.1 C4.1 C5.1 C6.1 C7.1 C8.2 C9.2 C10.1 C17.1 C18.2 C19.2 C20.2 C25.2 C28.2 C29.1 C34.1 C35.1 C36.1 C37.1 C41.1 C42.2 C49.1 C52.2 C53.1 C54.2 C55.2 C57.2 C77.2 D2.2 D3.2 D4.1 D9.1 DGND1.1 DGND.1 JP2.1 L3.1 P1.1 Q1.2 R4.1 R23.1 R25.1 R40.2 R54.1 R55.2 R56.2 R57.2 R58.2 R59.2 R60.2 R61.2 R73.1 SW1.3 SW1.4 U1.2 U2.23 U2.47 U3.2 U4.29 U6.3 U6.5 U6.6 U9.3 Y2.2 Y2.4 | length 649
  Top Layer w6: U2.23@2484.72,2820.28 U2.23@2485.66,2820.28
  Top Layer w10: U4.29@1014.45,2825.47 1075.48,2825.47 ; 1075.51,2825.5 1092.49,2825.5 ; 1092.52,2825.47 1120.53,2825.47 v3(1139,2807) ; v3(2099.37,2963.28) 2099.37,2956.03 U2.47@2134.89,2920.5
  Top Layer w12: U2.23@2485.66,2820.28 2530,2775.94 v3(2530,2747)
  Top Layer w20: SW1.3@1686,137.46 SW1.4@1969.46,137.46 ; D2.2@1857.7,458 1885.69,485.98 C2.1@1885.69,529
  Bottom Layer w10: v3@2098.72,2963.28 v3(2099.37,2963.28)
  other v2: 1238,50 1447,50 2450,58 2137,61 2616,70 3044,76 2851,79 3231,84 3319,94 2138,184 1236,186 1447,194 3328,246 3099,323 3375,341 3503,346 3574,348 1450,374 47,377 1245,384 3248,505 3470,521 1245,548 3573,554 1438,560 2512,605 2243,612 2790,614 3121,617 2960,621 40,623 3575,728 3260,750 2247,762 2502,763 3112,764 2780,768 2963,770 37,815 3475,864 3572,893 203,940 3260,951 121,1020 35,1068 3477,1095 3571,1114 3568,1309 3471,1343 37,1454 3569,1505 3472,1600 3567,1693 3470,1818 34,1863 3565,1865 2982,2000 3470,2000 2840,2003 3566,2053 35,2144 2993,2157 2846,2165 3197,2200 3310,2207 3475,2272 3562,2287 483,2296 742,2296 2854,2336 3013,2344 2087,2378 3197,2417 3314,2424 34,2427 3561,2437 3473,2443 3561,2574 3474,2640 1508,2691 1618,2695 35,2704 3561,2710 3156,2739 3304,2739 1726,2767 1621,2770 3151,2808 3472,2810 3296,2814 1621,2855 1724,2859 3391,2913 35,2957 3295,3007 3091,3149 3177,3156 522,3205 404,3206 309,3230 3179,3240 3092,3242 404,3271 523,3271 3093,3318 3178,3319 524,3323 407,3325
  other v4: 2275,2559 2312,2559 2351,2559 2234,2560 2266,3109 2248,3134 2282,3134 312,3337 311,3368